# Allegro board 08_041351d.brd
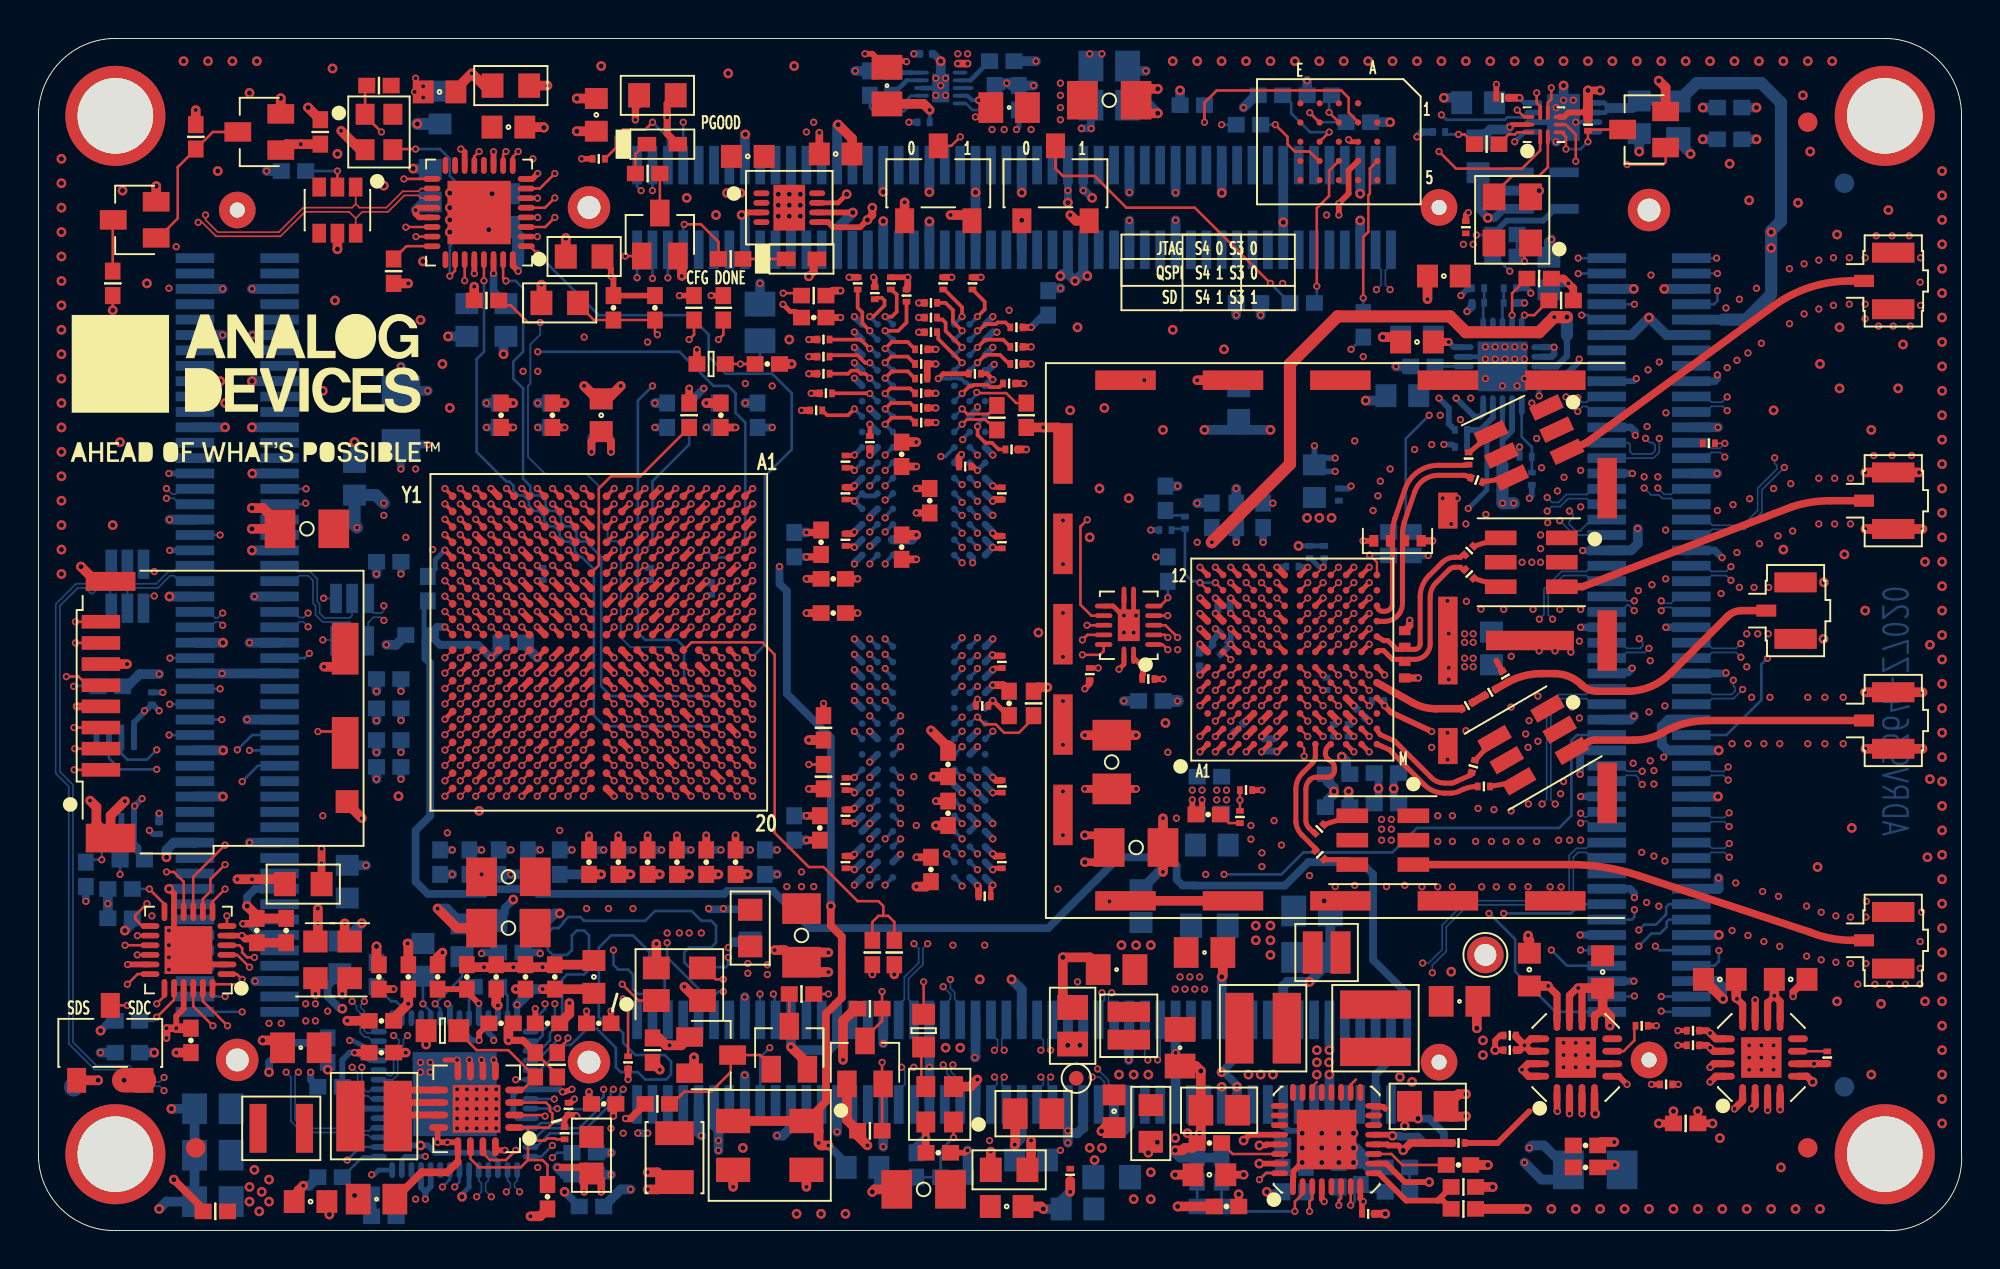
[diagram p0: board, top side]
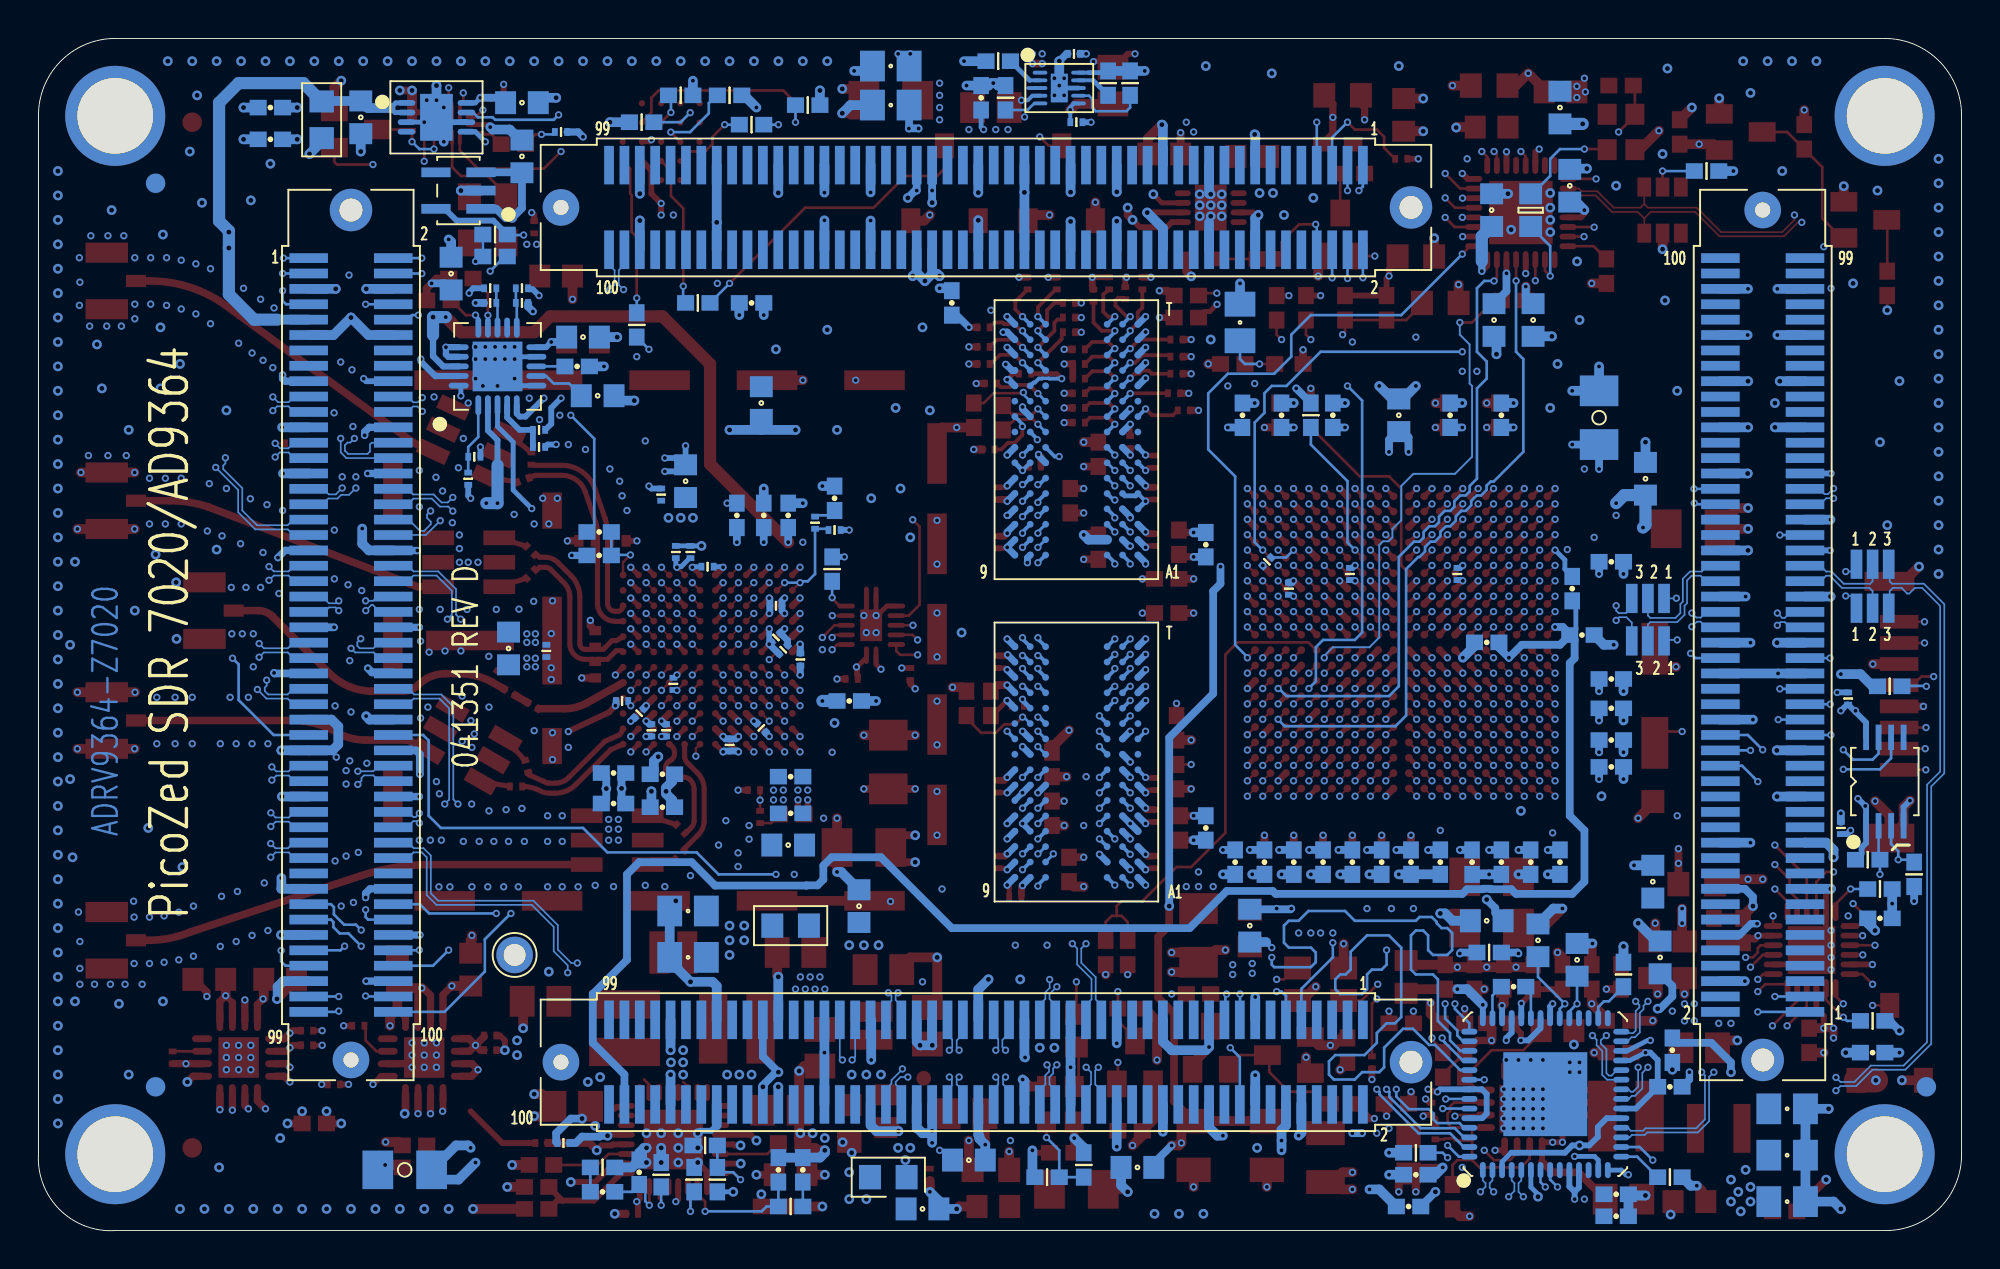
[diagram p1: board, bottom side, seen from below]

Outline 99.99 x 61.99 mm; copper layers: TOP, L2_GROUND, L3_SIGNAL, L4_SIGNAL, L5_GROUND, L6_SIGNAL, L7_SIGNAL, L8_GROUND, L9_POWER, L10_POWER, L11_GROUND, L12_SIGNAL, L13_SIGNAL, L14_GROUND, L15_SIGNAL, L16_SIGNAL, L17_GROUND, BOTTOM. Coordinates in mm from the lower left corner of the outline.
Outline path: 0,58 arc(1.17,60.82) 4,61.99 96,61.99 arc(98.83,60.83) 99.99,58 99.99,4 arc(98.9,1.09) 96,0 4,0 arc(1.15,1.15) 0,4 0,58

## Design rules (mm)
constraint set DEFAULT: min track width 0.14
net group DP1: nets UNNAMED_13_CN100PODDEVEN_I16_N4 UNNAMED_13_CN100PODDEVEN_I16_N5
net group DP2: nets UNNAMED_13_CN100PODDEVEN_I17_N4 UNNAMED_13_CN100PODDEVEN_I17_N5
net group DX_0: nets DX_0_N DX_0_P
net group ETH_MD1: nets ETH_MD1_N ETH_MD1_P
net group ETH_MD2: nets ETH_MD2_N ETH_MD2_P
net group ETH_MD3: nets ETH_MD3_N ETH_MD3_P
net group ETH_MD4: nets ETH_MD4_N ETH_MD4_P
net group IO_L01_33_RX_D0: nets IO_L01_35_RX_D0_N IO_L01_35_RX_D0_P
net group IO_L01_34_JX4: nets IO_L01_34_JX4_N IO_L01_34_JX4_P
net group IO_L02_33_RX_D1: nets IO_L02_35_RX_D1_N IO_L02_35_RX_D1_P
net group IO_L02_34_JX4: nets IO_L02_34_JX4_N IO_L02_34_JX4_P
net group IO_L03_33_RX_D2: nets IO_L03_35_RX_D2_N IO_L03_35_RX_D2_P
net group IO_L03_34_JX4: nets IO_L03_34_JX4_N IO_L03_34_JX4_P
net group IO_L04_33_RX_D3: nets IO_L04_35_RX_D3_N IO_L04_35_RX_D3_P
net group IO_L04_34_JX4: nets IO_L04_34_JX4_N IO_L04_34_JX4_P
net group IO_L05_33_RX_D4: nets IO_L05_35_RX_D4_N IO_L05_35_RX_D4_P
net group IO_L05_34_JX4: nets IO_L05_34_JX4_N IO_L05_34_JX4_P
net group IO_L06_33_RX_D5: nets IO_L06_35_RX_D5_N IO_L06_35_RX_D5_P
net group IO_L06_34_JX4: nets IO_L06_34_JX4_N IO_L06_34_JX4_P
net group IO_L07_33_RX_FRAME: nets IO_L07_35_RX_FRAME_N IO_L07_35_RX_FRAME_P
net group IO_L07_34_JX4: nets IO_L07_34_JX4_N IO_L07_34_JX4_P
net group IO_L08_33_FB_CLK: nets IO_L08_35_FB_CLK_N IO_L08_35_FB_CLK_P
net group IO_L08_34_JX4: nets IO_L08_34_JX4_N IO_L08_34_JX4_P
net group IO_L09_33_TX_FRAME: nets IO_L09_35_TX_FRAME_N IO_L09_35_TX_FRAME_P
net group IO_L09_34_JX4: nets IO_L09_34_JX4_N IO_L09_34_JX4_P
net group IO_L10_34_JX4: nets IO_L10_34_JX4_N IO_L10_34_JX4_P
net group IO_L11_SRCC_13_JX2: nets IO_L11_SRCC_13_JX2_N IO_L11_SRCC_13_JX2_P
net group IO_L11_SRCC_34_JX4: nets IO_L11_SRCC_34_JX4_N IO_L11_SRCC_34_JX4_P
net group IO_L12_MRCC_13_JX2: nets IO_L12_MRCC_13_JX2_N IO_L12_MRCC_13_JX2_P
net group IO_L12_MRCC_34_JX4: nets IO_L12_MRCC_34_JX4_N IO_L12_MRCC_34_JX4_P
net group IO_L13_33_TX_D0: nets IO_L13_35_TX_D0_N IO_L13_35_TX_D0_P
net group IO_L13_MRCC_13_JX2: nets IO_L13_MRCC_13_JX2_N IO_L13_MRCC_13_JX2_P
net group IO_L13_MRCC_34_JX4: nets IO_L13_MRCC_34_JX4_N IO_L13_MRCC_34_JX4_P
net group IO_L14_33_TX_D1: nets IO_L14_35_TX_D1_N IO_L14_35_TX_D1_P
net group IO_L14_SRCC_13_JX2: nets IO_L14_SRCC_13_JX2_N IO_L14_SRCC_13_JX2_P
net group IO_L14_SRCC_34_JX4: nets IO_L14_SRCC_34_JX4_N IO_L14_SRCC_34_JX4_P
net group IO_L15_13_JX2: nets IO_L15_13_JX2_N IO_L15_13_JX2_P
net group IO_L15_33_TX_D2: nets IO_L15_35_TX_D2_N IO_L15_35_TX_D2_P
net group IO_L15_34_JX4: nets IO_L15_34_JX4_N IO_L15_34_JX4_P
net group IO_L16_13_JX2: nets IO_L16_13_JX2_N IO_L16_13_JX2_P
net group IO_L16_33_TX_D3: nets IO_L16_35_TX_D3_N IO_L16_35_TX_D3_P
net group IO_L16_34_JX4: nets IO_L16_34_JX4_N IO_L16_34_JX4_P
net group IO_L17_13_JX2: nets IO_L17_13_JX2_N IO_L17_13_JX2_P
net group IO_L17_33_TX_D4: nets IO_L17_35_TX_D4_N IO_L17_35_TX_D4_P
net group IO_L17_34_JX4: nets IO_L17_34_JX4_N IO_L17_34_JX4_P
net group IO_L18_13_JX2: nets IO_L18_13_JX2_N IO_L18_13_JX2_P
net group IO_L18_33_TX_D5: nets IO_L18_35_TX_D5_N IO_L18_35_TX_D5_P
net group IO_L18_34_JX4: nets IO_L18_34_JX4_N IO_L18_34_JX4_P
net group IO_L19_13_JX2: nets IO_L19_13_JX2_N IO_L19_13_JX2_P
net group IO_L19_34_JX4: nets IO_L19_34_JX4_N IO_L19_34_JX4_P
net group IO_L20_13_JX2: nets IO_L20_13_JX2_N IO_L20_13_JX2_P
net group IO_L20_34_JX4: nets IO_L20_34_JX4_N IO_L20_34_JX4_P
net group IO_L21_13_JX2: nets IO_L21_13_JX2_N IO_L21_13_JX2_P
net group IO_L21_34_JX4: nets IO_L21_34_JX4_N IO_L21_34_JX4_P
net group IO_L22_34_JX4: nets IO_L22_34_JX4_N IO_L22_34_JX4_P
net group RXB: nets RXB_N RXB_P
net group RXB1: nets UNNAMED_8_CAP_I416_N1 UNNAMED_8_CAP_I417_N1
net group S_IN: nets S_IN_N S_IN_P
net group S_OUT: nets S_OUT_N S_OUT_P
net group TXB: nets TXB_N TXB_P
net group TXB1: nets UNNAMED_8_CAP_I409_N2 UNNAMED_8_CAP_I410_N2
net group USB_OTG: nets USB_OTG_N USB_OTG_P
net group CARRIER_RESET: nets CARRIER_RESET SDIO_CMDB1 VCC-3P3V-IO
net group DDR3_DQS0: nets DDR3_DQS0_N
net group DDR3_DQS1: nets DDR3_DQS1_N
net group DDR3_DQS2: nets DDR3_DQS2_N
net group DDR3_DQS3: nets DDR3_DQS3_N
net group DDR3_LANE0: nets DDR3_DM0 DDR3_DQ0 DDR3_DQ1 DDR3_DQ2 DDR3_DQ3 DDR3_DQ4 DDR3_DQ5 DDR3_DQ6 DDR3_DQ7 DDR3_DQS0_P
net group DDR3_LANE1: nets DDR3_DM1 DDR3_DQ8 DDR3_DQ9 DDR3_DQ10 DDR3_DQ11 DDR3_DQ12 DDR3_DQ13 DDR3_DQ14 DDR3_DQ15 DDR3_DQS1_P
net group DDR3_LANE2: nets DDR3_DM2 DDR3_DQ16 DDR3_DQ17 DDR3_DQ18 DDR3_DQ19 DDR3_DQ20 DDR3_DQ21 DDR3_DQ22 DDR3_DQ23 DDR3_DQS2_P
net group DDR3_LANE3: nets DDR3_DM3 DDR3_DQ24 DDR3_DQ25 DDR3_DQ26 DDR3_DQ27 DDR3_DQ28 DDR3_DQ29 DDR3_DQ30 DDR3_DQ31 DDR3_DQS3_P
net group PS_MIO_A: nets PS_MIO07_500_USB_RESET_B PS_MIO09_500_USB_CLK_PD PS_MIO28_501_USB0_D4 PS_MIO29_501_USB0_DIR PS_MIO30_501_USB0_STP PS_MIO31_501_USB0_NXT PS_MIO32_501_USB0_D0 PS_MIO33_501_USB0_D1 PS_MIO34_501_USB0_D2 PS_MIO35_501_USB0_D3 PS_MIO36_501_USB0_CLK PS_MIO37_501_USB0_D5 PS_MIO38_501_USB0_D6 PS_MIO39_501_USB0_D7
net group PS_MIO_E: nets PS_MIO08_500_ETH0_RESETN PS_MIO16_501_ETH0_TX_CLK PS_MIO17_501_ETH0_TX_D0 PS_MIO18_501_ETH0_TX_D1 PS_MIO19_501_ETH0_TX_D2 PS_MIO20_501_ETH0_TX_D3 PS_MIO21_501_ETH0_TX_CTL PS_MIO22_501_ETH0_RX_CLK PS_MIO23_501_ETH0_RX_D0 PS_MIO24_501_ETH0_RX_D1 PS_MIO25_501_ETH0_RX_D2 PS_MIO26_501_ETH0_RX_D3 PS_MIO27_501_ETH0_RX_CTL PS_MIO52_501_ETH0_MDC PS_MIO53_501_ETH0_MDIO
net group TXA_N: nets TXA_N
net group TXA_P: nets TXA_P

## Placement (name value [footprint] x y rotation side)
C1  100uF  [C1206H71]  24.44 15.73 180 top
C2  100uF  [C1206H71]  55.81 24.37 90 top
C3  4.7uF  [C0402]  22.4 19.16 270 bottom
C4  4.7uF  [C0402]  25.45 19.16 270 bottom
C5  4.7uF  [C0603]  73.08 49.64 180 top
C6  0.001uF  [C0201]  74.28 27.3 210 top
C7  0.47uF  [C0402]  23.93 19.16 270 bottom
C8  18PF  [C0201]  74.61 24.14 255 top
C9  18PF  [C0201]  75.16 23.1 180 top
C10  0.47uF  [C0402]  41.33 33.89 0 top
C11  0.47uF  [C0402]  32.69 42.4 90 bottom
C12  1uF  [C0402]  60.82 21.63 0 top
C13  0.001uF  [C0201]  62.79 22.9 180 top
C14  0.001uF  [C0201]  73.59 30.14 270 bottom
C15  0.47uF  [C0402]  20.88 19.16 270 bottom
C16  0.47uF  [C0402]  27.1 19.16 270 bottom
C17  0.47uF  [C0402]  26.6 42.4 90 bottom
C18  0.47uF  [C0402]  18.21 24.11 180 bottom
C19  0.47uF  [C0402]  36.25 19.16 270 top
C20  0.47uF  [C0402]  23.93 42.4 90 bottom
C21  10uF  [C0603]  75.55 30.27 90 bottom
C22  0.47uF  [C0402]  18.21 25.51 180 bottom
C23  0.47uF  [C0402]  28.63 19.16 270 top
C24  22uF  [C0603]  62.41 43.03 90 bottom
C25  18PF  [C0201]  74.4 35.36 45 top
C26  18PF  [C0201]  74.4 34.14 315 top
C27  100uF  [C1206H71]  18.85 42.27 90 bottom
C28  100uF  [C1206H71]  39.68 15.35 90 top
C29  100uF  [C1206H71]  13.96 36.49 180 top
C30  22uF  [C0603]  29.26 42.4 90 bottom
C31  4.7uF  [C0402]  33.2 19.16 270 bottom
C32  0.1UF  [C0603]  24.31 47.35 270 bottom
C33  4.7uF  [C0402]  30.15 19.16 270 bottom
C34  0.1UF  [C0603]  42.85 3.28 0 bottom
C35  0.47uF  [C0402]  31.68 19.16 270 bottom
C36  1uF  [C0603]  41.45 55.99 0 top
C37  10uF  [C0805H53]  61.39 6.26 180 top
C38  10uF  [C0603]  36.88 55.86 0 top
C39  0.1uF  [C0402]  46.79 4.05 0 top
C40  0.1uF  [C0402]  62.92 48.24 0 bottom
C41  0.1uF  [C0402]  7.93 9.89 270 top
C42  0.1uF  [C0402]  4.24 16.24 0 bottom
C43  0.01uF  [C0201]  46.15 61.2 180 bottom
C44  0.47uF  [C0402]  31.68 19.16 270 top
C45  10uF  [C0805H53]  72.24 6.46 0 top
C46  0.47uF  [C0402]  18.21 28.68 180 bottom
C47  0.47uF  [C0402]  33.2 19.16 270 top
C48  0.47uF  [C0402]  24.69 30.59 0 bottom
C49  4.7uF  [C0402]  17.71 13.19 90 top
C50  4.7uF  [C0402]  26.47 10.78 0 top
C51  0.47uF  [C0402]  30.15 19.16 270 top
C52  4.7uF  [C0402]  36.25 19.16 270 bottom
C53  0.47uF  [C0402]  35.49 42.4 90 top
C54  0.1uF  [C0402]  11.36 15.6 90 top
C55  0.1uF  [C0402]  12.88 15.6 90 top
C56  100uF  [C1206H71]  57.08 19.92 0 top
C57  0.1uF  [C0402]  4.62 9.25 0 bottom
C58  1uF  [C0603]  28.88 13.19 90 top
C59  27PF  [C0603]  19.99 14.08 90 bottom
C60  27PF  [C0603]  22.02 15.09 90 bottom
C61  0.1UF  [C0402]  26.47 1.76 270 top
C62  0  [R0402]  75.3 56.5 0 top
C63  4.7uF  [C0402]  26.85 13.19 90 top
C64  22uF  [C0805H60]  59.36 9.51 270 top
C65  22uF  [C0805H60]  73.89 11.92 0 top
C66  47uF  [C0805H60]  17.58 1.63 180 top
C67  150pF  [C0402]  61.52 3.16 90 bottom
C68  180PF  [C0402]  68.76 3.03 90 bottom
C69  5.6NF  [C0402H22]  60.25 3.16 90 bottom
C70  4.7uF  [C0402]  39.3 20.94 270 bottom
C71  22uF  [C0603]  29.26 42.4 90 top
C72  0.47uF  [C0402]  40.63 20.94 270 top
C73  0.1uF  [C0402]  23.8 13.19 90 top
C74  4.7uF  [C0402]  17.96 1.89 180 bottom
C75  0.1uF  [C0402]  28.75 1.25 0 bottom
C76  0.01uF  [C0201]  26.21 34.14 270 bottom
C77  0.01uF  [C0201]  31.8 34.14 270 bottom
C78  1uF  [C0603]  14.15 1.51 180 top
C79  10uF  [C0805H60]  50.47 58.4 180 top
C80  15NF  [C0402H22]  50.98 58.91 270 bottom
C81  0.22UF  [C0805]  44.12 59.54 90 top
C82  10uF  [C0805H60]  55.68 58.53 0 bottom
C83  10uF  [C0805H60]  55.68 60.56 0 bottom
C84  0.01uF  [C0201]  46.03 57.64 180 bottom
C85  18PF  [C0201]  66.6 20.89 225 top
C86  4.7uF  [C0402]  47.3 21.7 270 top
C87  4.7uF  [C0402]  50.47 27.41 270 top
C88  0.47uF  [C0402]  46.41 18.78 270 top
C89  0.47uF  [C0402]  47.3 24.24 270 top
C90  18PF  [C0201]  66.63 19.54 135 top
C91  0.1uF  [C0201]  49.2 17.38 0 top
C92  0.1uF  [C0201]  50.09 29.57 270 top
C93  0.001uF  [C0201]  67.62 38.27 270 bottom
C94  0.1uF  [C0201]  50.09 23.1 270 top
C95  0.1uF  [C0201]  50.09 19.16 270 top
C96  0.1uF  [C0201]  41.96 21.57 270 top
C97  0.1uF  [C0201]  41.96 19.16 270 top
C98  10uF  [C0603]  66.35 38.97 90 bottom
C99  18PF  [C0201]  74.36 40.15 90 top
C100  100uF  [C1206H71]  55.68 58.78 0 top
C101  4.7uF  [C0402]  52.5 48.24 90 bottom
C102  0.01uF  [C0201]  41.96 39.99 270 top
C103  0.01uF  [C0201]  41.96 23.22 270 top
C104  0.001uF  [C0201]  58.6 36.43 0 bottom
C105  1uF  [C0402]  58.6 38.08 270 bottom
C106  4.7uF  [C0402]  44.88 40.37 90 top
C107  0.47uF  [C0402]  46.34 37.95 90 top
C108  0.47uF  [C0402]  44.88 35.54 90 top
C109  0.1uF  [C0201]  50.09 38.34 90 top
C110  18PF  [C0201]  74.79 39.03 340 top
C111  0.1UF  [C0603]  71.68 46.21 0 top
C112  0.1uF  [C0201]  50.09 35.8 270 top
C113  0.1uF  [C0201]  74.22 52.18 90 top
C114  0.0033uF  [C0402]  70.66 2.01 0 bottom
C115  0.1uF  [C0201]  41.96 35.92 270 top
C116  0.1uF  [C0201]  48.19 39.73 0 top
C117  0.1uF  [C0201]  43.23 41 90 top
C118  0.1uF  [C0201]  41.96 38.34 270 top
C119  47uF  [C0805H60]  13.64 9.51 180 top
C120  4.7uF  [C0402]  40.31 47.48 180 top
C121  4.7uF  [C0402]  35.36 42.4 90 bottom
C122  0.01uF  [C0201]  48.69 44.56 180 top
C123  0.01uF  [C0201]  49.07 27.29 180 top
C124  10uF  [C0603]  71.68 46.46 180 bottom
C125  0.47uF  [C0402]  37.39 42.4 90 bottom
C126  0.1UF  [C0603]  20.88 58.4 90 bottom
C127  56000PF  [C0402]  15.04 9.38 90 bottom
C128  47uF  [C0805H60]  9.07 6.33 180 bottom
C129  47uF  [C0805H60]  60.63 14.46 0 top
C130  47uF  [C0805H60]  9.07 3.92 180 bottom
C131  47uF  [C0805H60]  9.07 1.51 180 bottom
C132  47uF  [C0805H60]  66.22 16.62 0 bottom
C133  4.7uF  [C0402]  71.99 44.94 180 bottom
C134  10uF  [C0603]  78.54 49.77 90 bottom
C135  47uF  [C0805H60]  56.06 13.57 180 top
C136  47uF  [C0805H60]  66.22 14.21 0 bottom
C137  10uF  [C0805H53]  53.77 10.65 90 top
C138  100uF  [C1206H71]  46.03 2.14 180 top
C139  10uF  [C0805H53]  51.74 6.08 180 top
C140  4.7uF  [C0402]  34.72 19.16 270 bottom
C141  4.7uF  [C0402]  34.72 19.16 270 top
C142  0.047UF  [C0402]  60.89 4.55 0 top
C143  0.47uF  [C0402]  28.63 19.16 270 bottom
C144  0.047UF  [C0402]  73.84 3.41 180 top
C145  22uF  [C0603]  16.44 39.1 270 bottom
C146  1uF  [C0402]  61.77 1.25 180 top
C147  10uF  [C0603]  57.33 16.87 90 bottom
C148  10uF  [C0402]  80.44 4.43 0 top
C149  10uF  [C0402]  80.44 3.28 0 top
C150  0.047uF  [C0603]  60.89 2.9 180 top
C151  100uF  [C1206H71]  24.44 18.4 180 top
C152  4.7uF  [C0603]  74.86 55.86 90 bottom
C158  10uF  [C0603]  70.92 43.42 180 bottom
C159  4.7uF  [C0402]  40.69 35.8 90 top
C162  0.47uF  [C0402]  39.3 35.67 90 bottom
C163  0.47uF  [C0402]  41.33 32.11 0 top
C165  18PF  [C0402]  70.84 35.11 0 bottom
C167  4.7uF  [C0402]  18.21 27.16 180 bottom
C169  4.7uF  [C0402]  20.25 33.38 90 bottom
C170  0.47uF  [C0402]  19.74 30.97 180 bottom
C171  0.47uF  [C0402]  18.21 34.78 180 bottom
C173  100uF  [C1206H71]  80.95 3.16 0 bottom
C174  4.7uF  [C0402]  37.77 19.16 270 bottom
C175  4.7uF  [C0402]  26.72 42.4 90 top
C178  0.47uF  [C0402]  37.9 45.07 0 top
C179  0.47uF  [C0402]  24.06 42.4 90 top
C181  1uF  [C0603]  24.44 53.07 90 bottom
C182  1uF  [C0603]  22.28 47.35 270 bottom
C183  1uF  [C0603]  24.44 57.39 0 top
C184  1uF  [C0603]  20.37 54.34 90 bottom
C188  0.1uF  [C0201]  76.13 58.91 0 top
C189  0.47uF  [C0402]  29.9 47.99 90 top
C190  0.1uF  [C0402]  32.06 47.99 90 top
C191  10uF  [C0603]  55.93 6.2 270 top
C193  10uF  [C0603]  50.34 1.25 0 top
C194  10uF  [C0603]  54.03 1.12 180 bottom
C195  10uF  [C0603]  37.01 15.86 270 bottom
C196  10uF  [C0603]  20.85 59.21 180 top
C197  10uF  [C0603]  29.01 58.02 270 top
C198  10uF  [C0603]  16.05 18.14 90 bottom
C199  1uF  [C0603]  74.86 58.66 180 bottom
C200  10uF  [C0603]  83.24 57.89 270 bottom
C201  0.1uF  [C0402]  20.75 13.19 90 top
C203  0.1uF  [C0402]  17.83 10.9 180 top
C206  0.1uF  [C0402]  17.96 0.74 180 bottom
C208  0.1uF  [C0402]  17.83 9.25 0 top
C210  10uF  [C0603]  24.69 16.11 0 bottom
C211  0.1uF  [C0402]  19.23 13.19 90 top
C212  0.1uF  [C0402]  28.37 2.9 0 bottom
C214  0.1uF  [C0402]  15.17 7.47 180 bottom
C216  18PF  [C0402]  70.84 36.33 180 bottom
C217  0.1uF  [C0402]  25.33 13.19 90 top
C218  4.7uF  [C0402]  22.28 13.19 90 top
C219  1uF  [C0603]  15.67 14.21 90 bottom
C224  0.1uF  [C0402]  29.39 6.59 0 top
C225  0.1uF  [C0402]  29.14 10.78 0 top
C226  0.1uF  [C0402]  24.06 10.78 0 top
C242  0.1uF  [C0402]  23.29 12.68 180 bottom
C243  0.1uF  [C0201]  6.28 20.94 90 bottom
C244  0.1uF  [C0201]  5.89 27.67 270 bottom
C245  0.1uF  [C0201]  57.71 28.68 0 top
C246  0.1uF  [C0201]  54.66 28.94 270 top
C251  47uF  [C0805H60]  37.52 47.23 90 bottom
C311  0.01uF  [C0201]  83.36 10.65 0 top
C312  10uF  [C0603]  81.33 13.44 90 top
C313  10uF  [C0603]  77.52 13.57 90 top
C314  0.1uF  [C0201]  76.51 10.14 180 top
C315  0.1uF  [C0201]  76.51 9.38 180 top
C319  0.1uF  [C0201]  61.65 30.84 315 bottom
C320  1uF  [C0402]  70.09 23.79 0 bottom
C321  0.01uF  [C0201]  61.65 32.49 0 bottom
C322  0.01uF  [C0201]  64.06 25.25 270 bottom
C323  1uF  [C0402]  70.09 22.21 0 bottom
C324  1uF  [C0402]  67.55 23.73 180 bottom
C325  0.01uF  [C0201]  60.38 29.7 270 bottom
C326  0.01uF  [C0201]  67.36 26.02 270 bottom
C327  1uF  [C0402]  61.01 37.19 90 bottom
C328  1uF  [C0402]  67.55 22.02 180 bottom
C329  0.01uF  [C0201]  68.12 26.02 270 bottom
C330  0.01uF  [C0201]  65.2 34.53 0 bottom
C331  1uF  [C0402]  57.84 27.54 180 bottom
C332  1uF  [C0402]  62.28 37.19 90 bottom
C333  0.01uF  [C0201]  68.76 26.91 315 bottom
C334  0.01uF  [C0201]  62.41 26.14 225 bottom
C335  1uF  [C0402]  63.68 37.19 90 bottom
C340  0.01uF  [C0201]  93.02 9 270 top
C341  10uF  [C0603]  91.11 13.06 0 top
C342  10uF  [C0603]  87.43 13.06 180 top
C343  0.1uF  [C0201]  86.03 10.4 180 top
C344  0.1uF  [C0201]  86.03 9.63 180 top
C354  1uF  [C0402]  60.89 23.6 180 bottom
C355  0.01uF  [C0201]  66.09 35.29 90 bottom
C356  0.01uF  [C0201]  66.85 35.29 90 bottom
C357  1uF  [C0402]  60.89 21.7 180 bottom
C358  1uF  [C0402]  87.94 56.75 0 bottom
C360  0.01uF  [C0201]  61.27 30.21 315 bottom
C361  1uF  [C0402]  87.94 58.4 0 bottom
C363  10uF  [C0603]  61.01 20.05 180 bottom
C364  0.1uF  [C0201]  53.65 2.9 270 top
C365  10uF  [C0603]  51.61 3.66 180 bottom
D3  QTLP600C4TR  [LED0603]  32.44 56.5 0 top
D4  QTLP600C4TR  [LED0603]  39.68 50.53 0 top
E1  220OHM  [L0805]  27.1 48.24 0 top
E2  100OHM  [L0805]  50.47 3.16 180 top
E3  100OHM  [L0805]  60.89 15.86 180 bottom
E4  100OHM  [L0805]  57.84 5.57 90 top
E5  100OHM  [L0805]  55.81 2.78 180 bottom
E6  100OHM  [L0805]  37.01 15.73 90 top
E7  100OHM  [L0805]  24.56 59.54 180 top
E8  100OHM  [L0805]  32.18 59.04 180 top
E9  100OHM  [L0805]  14.4 14.08 90 top
E10  75OHM  [L0402#2]  85.65 5.57 180 top
E11  100OHM  [L0805]  85.27 57.77 270 bottom
E12  220OHM  [L0805]  28.37 50.65 0 top
E14  100OHM  [L0805]  28.75 3.92 270 top
E15  100OHM  [L0805]  13.77 18.02 0 top
E16  100OHM  [L0805]  16.18 14.08 270 top
J3  DM3CS-SF  [CNHIROSEDM3CS-SF]  9.45 27.16 0 top
JP1  3PIN_SOLDER_JUMPER  [JPRSLD03]  4.62 32.37 180 bottom
JP2  3PIN_SOLDER_JUMPER  [JPRSLD03]  4.62 34.65 180 bottom
JP3  3PIN_SOLDER_JUMPER  [JPRSLD03]  16.31 30.66 0 bottom
JP4  3PIN_SOLDER_JUMPER  [JPRSLD03]  16.31 32.87 0 bottom
JX1  61082-101400LF  [CNFCI61082-101400]  50.73 53.21 0 bottom
JX2  61082-101400LF  [CNFCI61082-101400]  50.73 8.76 0 bottom
JX3  61082-101400LF  [CNFCI61082-101400]  10.34 30.97 90 bottom
JX4  61082-101400LF  [CNFCI61082-101400]  83.75 30.97 270 bottom
L1  330NH  [L0402]  69.86 35.87 0 top
L2  330NH  [L0402]  71.47 35.87 180 top
L3  1.5uH  [LSMSQ157H83]  63.68 10.52 180 top
L4  1.5uH  [LSMSQ157H83]  69.52 10.52 90 top
L5  1uH  [LSMSQ157H83]  17.45 5.95 180 top
L6  150NH  [L1008_A]  12.63 5.32 180 top
L7  180NH  [LSMSQ79H41]  66.98 14.46 180 top
L8  330NH  [L0402]  71.05 30.77 270 top
L9  330NH  [L0402]  71.05 29.17 90 top
L10  180NH  [LSMSQ79H41]  56.69 10.65 90 top
L12  600OHMS  [L0603]  34.98 45.07 0 top
L302  0.47UH  [L1210H67]  33.07 3.79 270 top
M1  LT15CCC2243A  [MLT15CCC2243A]  67.42 30.68 180 top